# Altium PCB PCB_v1.PcbDoc (part 5 of 8) (continued)
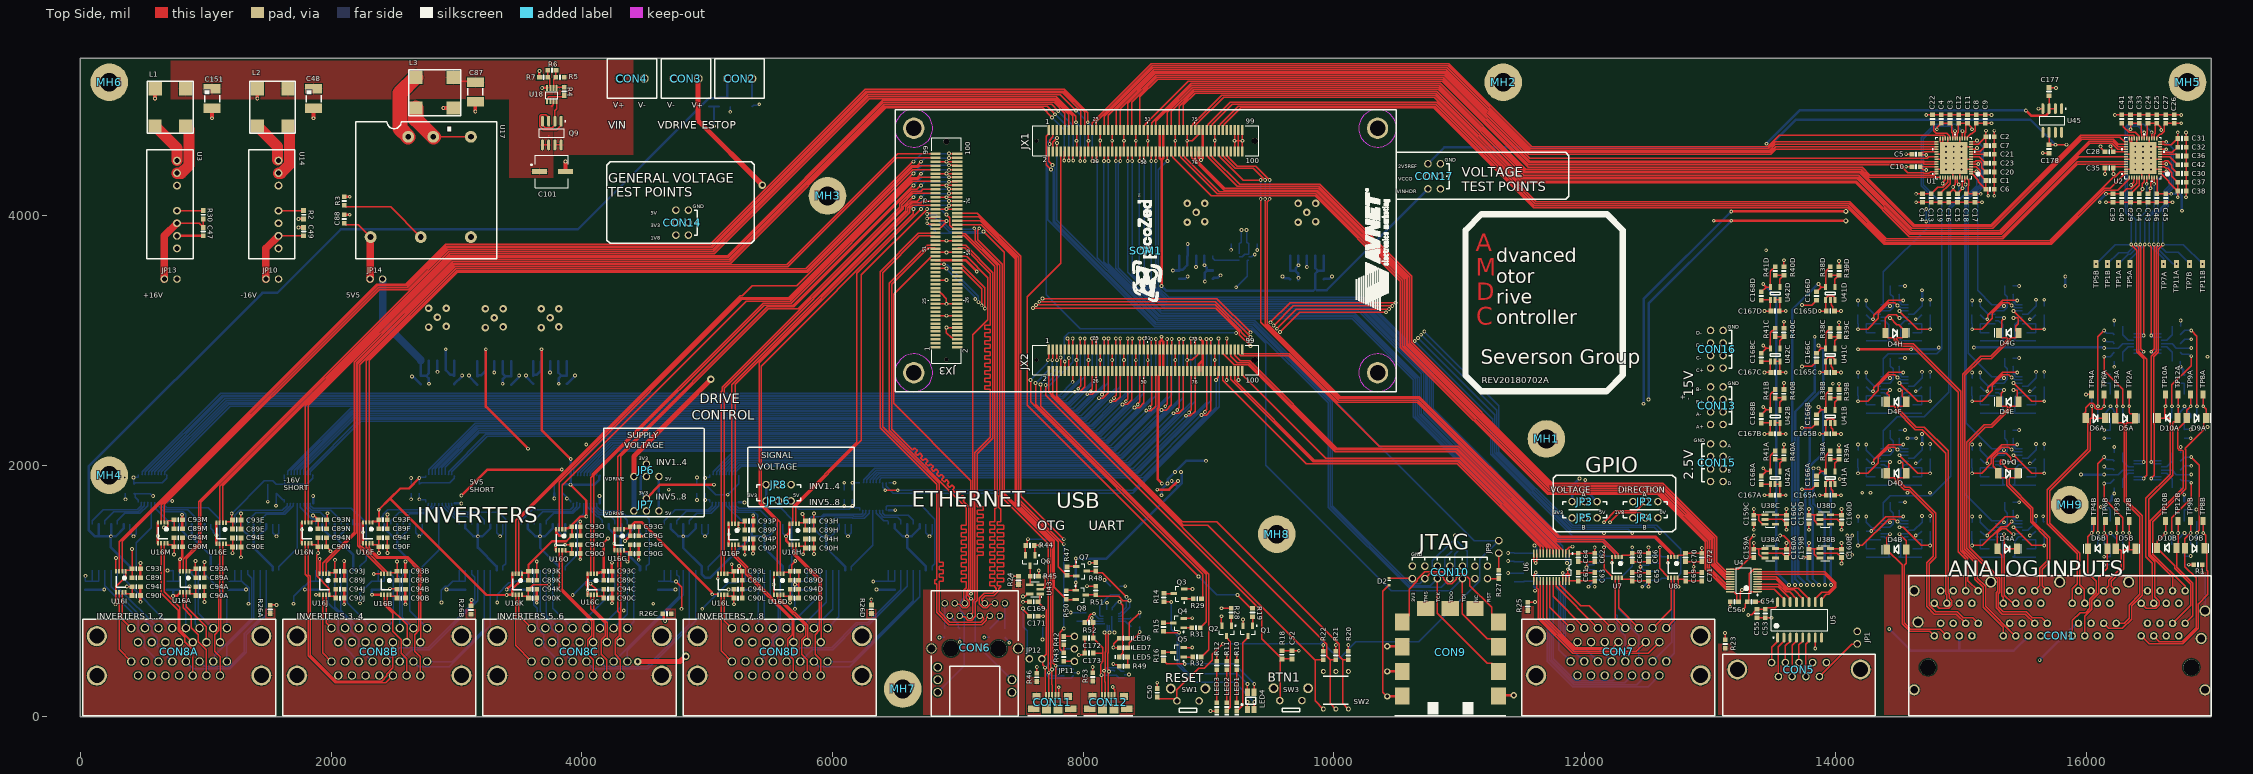
[diagram p0: Top Side view]
## Nets (pads, with @x,y where several pads share a name; then routed paths per layer and width w, separated by ;. In a path a pad name is that pad's centre, name@x,y a point inside that pad or via, vN(x,y) a via of type N, cw(c..) or ccw(c..) an arc to the next point about the centre after c; other vN are vias at no path point) (continued)
  Bottom Side w15: R17.1@5014,4866.54 5054,4866.54 ; v1(5054,4710) 5054,4866.54 ; C51.1@5094,4866.54 5054,4866.54 ; v1(5184,4824.33) D1.2@5184,4862.6
  Bottom Side w20: C95F.2@40,1012.83 v1(190,1012.83) ; C96F.2@690,1012.83 C98F.2@738.31,1012.83 ; U13F.11@693.03,1709.09 693.03,1720 v1(732,1720) ; v1(738.31,961.69) C98F.2@738.31,1012.83 ; C100F.2@790,1012.83 C98F.2@738.31,1012.83 ; C95E.2@1184.02,1012.83 v1(1320,1012.83) ; v1(1790,1012.83) C100E.2@1927.7,1012.83 ; U13E.11@1856.26,1702.6 v1(1856.26,1760) ; U15E.7@2177.7,1567.7 U15E.7@2177.7,1533.62 U15E.8@2227.7,1533.62 2227.7,1501.15 2251.32,1477.53 2251.32,1471.91 v1(2253.23,1470) ; v1(2325,972.11) 2325.19,972.3 2325.19,1012.65 C95D.2@2325.38,1012.83 C99D.2@2425.38,1012.83 ; v1(2645,2713.46) 2646.91,2711.55 2653.39,2711.55 C163A.2@2713.41,2651.54 ; v1(2847.41,2750) U40A.3@2847.41,2840 ; v1(2920,1012.83) C100D.2@3070,1012.83 ; C164A.2@2981.41,2651.54 3043.09,2713.22 3043.09,2718.08 v1(3045,2719.99) ; U13D.11@2986.22,1702.41 3036.39,1702.41 v1(3038.31,1700.5) ; v1(3100,2720) 3101.91,2718.09 3101.91,2711.62 C162.2@3167,2646.54 ; v1(3301,2745.65) U39.3@3301,2835.65 ; v1(3400,1012.83) C99C.2@3566.91,1012.83 ; C161.2@3435,2646.54 3498.09,2709.62 3498.09,2718.09 v1(3500,2720) ; v1(3555,2720) 3556.91,2718.09 3556.91,2708.12 C158A.2@3611.97,2653.07 ; v1(3746,2745.65) U37A.3@3746,2835.65 ; v1(3780.38,1740) C91C.2@3780.38,1782.6 ; U12C.7@3816.91,1532.09 3817.61,1531.39 3817.61,1469.01 3843.84,1442.77 v1(3843.84,1442.06) 3866.22,1464.44 3866.22,1531.39 U12C.8@3866.91,1532.09 ; C157A.2@3880,2653.07 3945,2718.07 v1(3945,2720) ; v1(4047.15,1010) 4048.57,1011.42 4114.25,1011.42 C96C.2@4115.67,1012.83 C100C.2@4213.84,1012.83 ; U13C.11@4141.26,1701.5 v1(4141.26,1760) ; C95B.2@4610,1012.83 v1(4747.6,1012.83) ; v1(5170,1012.83) C100B.2@5353.26,1012.83 ; U13B.11@5251.48,1708.72 5297.69,1708.72 v1(5298.06,1708.35) ; v1(5700,1052.4) 5701.91,1050.49 5710.65,1050.49 C95A.2@5748.31,1012.83 C99A.2@5849.98,1012.83 ; v1@6348.83,1012.83 C100A.2@6494.98,1012.83 ; U13A.11@6448.56,1646.5 v1(6500,1646.5) ; C158B.2@8766.02,3491.54 8768.9,3494.41 8814.72,3494.41 8830.32,3510 v1(8833.02,3510) ; v1(8900.02,3586.54) U37B.3@8900.02,3676.54 ; C157B.2@9034.02,3491.54 9042.72,3500.24 9072.53,3500.24 9092.29,3520 v1(9095,3520) ; v1(9590,3510) 9592.71,3510 9605.93,3496.77 9641.18,3496.77 C163B.2@9649.88,3488.07 ; v1(9783.88,3586.54) U40B.3@9783.88,3676.54 ; C164B.2@9917.88,3488.07 9924.1,3494.29 9966.58,3494.29 9982.29,3510 v1(9985,3510) ; C179B.2@16195,1718.46 16203.7,1727.17 16203.7,1755.99 16225,1777.29 v1(16225,1780) ; v1@16753.46,2791.54 16753.46,2788.55 16776.3,2765.72 16776.3,2735.63 C183A.2@16785,2726.93 ; v1(16783.46,1770) 16784.23,1769.23 16784.23,1717.7 C183B.2@16785,1716.93
  other v1: 1563.31,890 6350,1012.83 12870,1195 793.23,1255 4258.76,1380 618.23,1440 5171.41,1454.55 1767.11,1490 1970,1621.6 4918.31,1727.6 16753.31,2791.42
  other v2: 14882.5,4364.04 14945,4364.04 15007.5,4364.04 16392.5,4364.04 16455,4364.04 16517.5,4364.04 14882.5,4410.29 14945,4410.29 15007.5,4410.29 16392.5,4410.29 16455,4410.29 16517.5,4410.29 14882.5,4456.54 15007.5,4456.54 16392.5,4456.54 16517.5,4456.54 14882.5,4502.79 14945,4502.79 15007.5,4502.79 16392.5,4502.79 16455,4502.79 16517.5,4502.79 14882.5,4549.04 14945,4549.04 15007.5,4549.04 16392.5,4549.04 16455,4549.04 16517.5,4549.04
  other v3: 3231,3103.05 3676,3103.05 2777.41,3107.4 3371,3108.05 3816,3108.05 2917.41,3112.4 3301,3180.65 3746,3180.65 2847.41,3185 3231,3253.05 3371,3253.05 3676,3253.05 3816,3253.05 2777.41,3257.4 2917.41,3257.4 8830.02,3943.94 9713.88,3943.94 8970.02,3948.94 9853.88,3948.94 8900.02,4021.54 9783.88,4021.54 8830.02,4093.94 8970.02,4093.94 9713.88,4093.94 9853.88,4093.94
GND_IN: C48.1 C87.1 C101.2 C151.1 CON4.2 L1.2 L2.2 L3.1 R7.1 U18.4 | length 643.6
  Top Side w20: R7.1@3661.76,5100.05 v1(3661.76,5149.82) ; v1(3683.42,5015.05) U18.4@3722.79,5015.05
  Top Side w30: v1(595.54,4930) L1.2@595.54,5009.21 ; v1(1050,4773.31) C151.1@1050,4852.52 ; v1(1410.91,4930) L2.2@1410.91,5009.21 ; v1(1860,4773.31) C48.1@1860,4852.52 ; v1(2894.68,4854.77) L3.1@2973.89,4854.77 ; v1(3150,4826.25) C87.1@3150,4905.46 ; C101.2@3868.8,4348.27 v1(3868.8,4427.48)
GPIO_1A: CON7.1A U8.7 | length 428.1
  Top Side w10: CON7.1A@12651,706 12716.18,771.18 U8.7@12716.18,1107.12
GPIO_1B: CON7.1B U11.6 | length 694.1
  Bottom Side w10: CON7.1B@12651,440 12716.18,505.18 U11.6@12716.18,1107.11
GPIO_2A: CON7.2A U8.6 | length 462.7
  Top Side w10: CON7.2A@12542,706 12690.59,854.59 U8.6@12690.59,1107.12
GPIO_2B: CON7.2B U11.7 | length 731.9
  Bottom Side w10: CON7.2B@12542,440 12694.5,592.5 12694.5,1093.96 12690.59,1097.87 U11.7@12690.59,1107.11
GPIO_3A: CON7.3A U7.7 | length 468.5
  Top Side w10: U7.7@12270.39,1107.12 12270.39,868.61 CON7.3A@12433,706
GPIO_3B: CON7.3B U10.6 | length 734.1
  Bottom Side w10: U10.6@12271.18,1107.11 12271.18,857.56 12367.5,761.24 12367.5,709.98 12433,644.48 CON7.3B@12433,440
GPIO_4A: CON7.4A U7.6 | length 433.9
  Top Side w10: U7.6@12244.8,1107.12 12244.8,785.2 CON7.4A@12324,706
GPIO_4B: CON7.4B U10.7 | length 699.6
  Bottom Side w10: U10.7@12245.59,1107.11 12245.59,815.85 12258.5,802.94 12258.5,709.98 12324,644.48 CON7.4B@12324,440
GPIO_5A: CON7.5A U6.21 | length 586
  Top Side w10: U6.21@11798.98,1079.76 11799.88,1078.86 11799.88,1052.91 11967.88,884.91 12036.09,884.91 CON7.5A@12215,706
GPIO_5B: CON7.5B U9.14 | length 901
  Bottom Side w10: U9.14@11850.16,1079.76 11850.16,1054.17 11844.5,1048.52 11844.5,630.48 11926.48,548.5 12106.5,548.5 CON7.5B@12215,440
GPIO_6A: CON7.6A U6.20 | length 511.5
  Top Side w10: U6.20@11773.39,1079.76 11774.29,1078.86 11774.29,1037.71 CON7.6A@12106,706
GPIO_6B: CON7.6B U9.15 | length 810.4
  Bottom Side w10: U9.15@11824.57,1079.76 11824.57,1054.17 11829.5,1049.24 11829.5,624.27 11920.27,533.5 12012.5,533.5 CON7.6B@12106,440
GPIO_7A: CON7.7A U6.19 | length 476.1
  Top Side w10: U6.19@11747.8,1079.76 11747.8,958.34 11997,709.13 CON7.7A@11995.43,707.57
GPIO_7B: CON7.7B U9.16 | length 724.4
  Bottom Side w10: U9.16@11798.98,1079.76 11798.98,1019.15 11808.5,1009.63 11808.5,624.06 11992.56,440 CON7.7B@11997,440
GPIO_8A: CON7.8A U6.18 | length 442.4
  Top Side w10: U6.18@11722.2,1079.76 11722.2,871.8 CON7.8A@11888,706
GPIO_8B: CON7.8B U9.17 | length 687.2
  Bottom Side w10: U9.17@11773.39,1079.76 11773.39,1023.53 11793.5,1003.42 11793.5,534.5 CON7.8B@11888,440
GPIO_9A: CON7.9A U6.14 | length 1421.7
  Top Side w10: U6.14@11619.84,1079.76 11619.84,1024.76 11630,1014.6 11630,779.93 11905.43,504.5 12507,504.5 CON7.9A@12596.5,594
GPIO_9B: CON7.9B U9.21 | length 1664.8
  Bottom Side w10: U9.21@11671.02,1079.76 11671.02,764.25 11703.5,731.77 11703.5,441.84 11905.84,239.5 12508,239.5 CON7.9B@12596.5,328
GPIO_10A: CON7.10A U6.15 | length 1277.2
  Top Side w10: U6.15@11645.43,1079.76 11645.43,785.71 11911.64,519.5 12413,519.5 CON7.10A@12487.5,594
GPIO_10B: CON7.10B U9.20 | length 1520.4
  Bottom Side w10: U9.20@11696.61,1079.76 11696.61,762.06 11718.5,740.17 11718.5,448.06 11912.06,254.5 12414,254.5 CON7.10B@12487.5,328
GPIO_11A: CON7.11A U6.16 | length 1131.1
  Top Side w10: U6.16@11671.02,1079.76 11671.02,782.75 11918.27,535.5 12320,535.5 CON7.11A@12378.5,594
GPIO_11B: CON7.11B U9.19 | length 1375.9
  Bottom Side w10: U9.19@11722.2,1079.76 11722.2,759.87 11733.5,748.57 11733.5,454.27 11918.27,269.5 12320,269.5 CON7.11B@12378.5,328
GPIO_12A: CON7.12A U6.17 | length 986.7
  Top Side w10: U6.17@11696.61,1079.76 11696.61,778.37 11924.48,550.5 12226,550.5 CON7.12A@12269.5,594
GPIO_12B: CON7.12B U9.18 | length 1231.5
  Bottom Side w10: U9.18@11747.8,1079.76 11748.5,1079.06 11748.5,460.48 11924.48,284.5 12226,284.5 CON7.12B@12269.5,328
HVA: C95A.1 C95B.1 C95C.1 C95D.1 C95E.1 C95F.1 C96A.1 C96B.1 C96C.1 C96D.1 C96E.1 C96F.1 C97A.1 C97B.1 C97C.1 C97D.1 C97E.1 C97F.1 C98A.1 C98B.1 C98C.1 C98D.1 C98E.1 C98F.1 C99A.1 C99B.1 C99C.1 C99D.1 C99E.1 C99F.1 C100A.1 C100B.1 C100C.1 C100D.1 C100E.1 C100F.1 CON3.1 JP6.1 JP7.1 U12A.15 U12A.16 U12B.15 U12B.16 U12C.15 U12C.16 U12D.15 U12D.16 U12E.15 U12E.16 U12F.15 U12F.16 U15A.15 U15A.16 U15B.15 U15B.16 U15C.15 U15C.16 U15D.15 U15D.16 U15E.15 U15E.16 U15F.15 U15F.16 | length 18119.9
  Top Side w10: v1(4751.17,1076.54) 4795,1032.7 v1(4795,859)
  Top Side w40: JP6.1@4415,1914.99 4415,2075 v3(5030,2690) ; CON3.1@4928.43,5090 4928.43,4752.06 v3(5440.49,4240)
  Ground Layer w20: v1(4334.21,845.92) 4779.21,845.92 4792.29,859 v1(4795,859)
  Power Layer w20: v1(4795,859) v1(4960,859) v1(5700,859) 5919,1078 v1(6325,1078)
  Power Layer w40: v1(40,1122.6) 82.19,1164.79 294.63,1164.79 ; v1(695,1164.79) 294.63,1164.79 ; v1(1340,900) 1340,850 ; v1(1700,900) 1700,850 ; v1(2230,903.03) 2230,850 ; v1(2880,910) 2880,850 ; v1(3325.17,910) 3325.17,850 ; v1(3926.67,968.77) 3926.67,850 ; v1(4334.21,845.92) 4311.98,868.14 ; JP7.1@4415,1640 4415,1267.57 4414,1266.57 4414,1233.43 4415,1232.43 4415,971.16 4311.98,868.14 ; v3(5030,2690) 5030,2969.92 5440.49,3380.41 v3(5440.49,4240) ; 294.63,1164.79 294.63,975.37 420,850 1340,850 ; 1340,850 1700,850 ; 1700,850 2230,850 ; 2230,850 2880,850 ; 2880,850 3325.17,850 ; 3325.17,850 3926.67,850 ; 3926.67,850 4243.29,850 4261.43,868.14 4311.98,868.14
  Bottom Side w10: v1(40,1122.6) C95F.1@40,1079.76 C99F.1@90,1079.76 ; U12F.16@94.63,1165.16 94.63,1084.39 C99F.1@90,1079.76 ; U12F.15@144.63,1165.16 144.63,1084.39 C97F.1@140,1079.76 C99F.1@90,1079.76 ; v1@686.02,1166.69 687.93,1164.79 v1(695,1164.79) 737.72,1164.79 U15F.16@739.63,1166.69 739.63,1081.09 C98F.1@738.31,1079.76 ; C96F.1@690,1079.76 C98F.1@738.31,1079.76 ; U15F.15@789.63,1166.69 789.63,1080.13 C100F.1@790,1079.76 C98F.1@738.31,1079.76 ; C95E.1@1184.02,1079.76 C97E.1@1232.7,1079.76 ; U12E.16@1232.7,1165.16 C97E.1@1232.7,1079.76 ; U12E.15@1282.7,1165.16 C99E.1@1282.7,1079.76 ; v1(1340,900) 1340,905.41 1345,910.41 1345,1023.19 1288.43,1079.76 C99E.1@1282.7,1079.76 ; v1(1700,900) 1700,958.19 1779.64,1037.83 1788.74,1037.83 C96E.1@1830.67,1079.76 C98E.1@1877.7,1079.76 ; U15E.16@1877.7,1166.69 C98E.1@1877.7,1079.76 ; U15E.15@1927.7,1166.69 C100E.1@1927.7,1079.76 C98E.1@1877.7,1079.76 ; v1(2230,903.03) 2230,984.39 C95D.1@2325.38,1079.76 C97D.1@2375.38,1079.76 ; U12D.16@2375.38,1165.16 C97D.1@2375.38,1079.76 ; U12D.15@2425.38,1165.16 C99D.1@2425.38,1079.76 C97D.1@2375.38,1079.76 ; v1(2880,910) 2880,1008.19 2910.85,1039.04 2929.28,1039.04 C96D.1@2970,1079.76 C98D.1@3020.38,1079.76 ; U15D.16@3020.38,1166.69 C98D.1@3020.38,1079.76 ; U15D.15@3070.38,1166.69 3070.38,1080.14 C100D.1@3070,1079.76 C98D.1@3020.38,1079.76 ; v1(3325.17,910) 3325.17,973.36 3417.87,1066.06 3456.3,1066.06 C95C.1@3470,1079.76 C97C.1@3516.91,1079.76 ; U12C.16@3516.91,1165.16 C97C.1@3516.91,1079.76 ; U12C.15@3566.91,1165.16 C99C.1@3566.91,1079.76 C97C.1@3516.91,1079.76 ; v1(3926.67,968.77) 4042.89,1085 4110.43,1085 C96C.1@4115.67,1079.76 C98C.1@4163.84,1079.76 ; U15C.16@4163.84,1166.69 C98C.1@4163.84,1079.76 ; U15C.15@4213.84,1166.69 C100C.1@4213.84,1079.76 C98C.1@4163.84,1079.76 ; C95B.1@4610,1079.76 C97B.1@4658.45,1079.76 ; U12B.16@4658.45,1165.16 C97B.1@4658.45,1079.76 ; U12B.15@4708.45,1165.16 C99B.1@4708.45,1079.76 ; v1(4751.17,1076.54) 4711.68,1076.54 C99B.1@4708.45,1079.76 ; v1@4960,860 4961,860 5167.06,1066.06 5229.55,1066.06 C96B.1@5243.26,1079.76 C98B.1@5298.26,1079.76 ; U15B.16@5303.45,1166.69 5303.45,1084.96 C98B.1@5298.26,1079.76 ; U15B.15@5353.45,1166.69 5353.45,1079.96 C100B.1@5353.26,1079.76 C98B.1@5298.26,1079.76 ; v1(5700,859) 5700,951.08 5675,976.08 5675,1062.76 5689.64,1077.4 5745.94,1077.4 C95A.1@5748.31,1079.76 C97A.1@5799.98,1079.76 ; U12A.16@5799.98,1165.16 C97A.1@5799.98,1079.76 ; U12A.15@5849.98,1165.16 C99A.1@5849.98,1079.76 C97A.1@5799.98,1079.76 ; v1(6325,1078) 6396.54,1078 C96A.1@6398.31,1079.76 C98A.1@6444.98,1079.76 ; U15A.16@6444.98,1166.69 C98A.1@6444.98,1079.76 ; U15A.15@6494.98,1166.69 C100A.1@6494.98,1079.76 C98A.1@6444.98,1079.76 ; C97E.1@1232.7,1079.76 C99E.1@1282.7,1079.76 ; C97B.1@4658.45,1079.76 C99B.1@4708.45,1079.76
  Bottom Side w40: JP7.1@4415,1640 JP6.1@4415,1914.99
INV1_PWM1: CON8A.1A U15F.11 | length 535.6
  Bottom Side w10: U15F.11@989.63,1166.69 989.63,1135.2 1168,956.83 CON8A.1A@1168,705
INV1_PWM2: CON8A.2A U15F.12 | length 511.1
  Bottom Side w10: U15F.12@939.63,1166.69 939.63,824.37 CON8A.2A@1059,705
INV1_PWM3: CON8A.3A U15F.13 | length 486.7
  Bottom Side w10: U15F.13@889.63,1166.69 889.63,1135.2 915.66,1109.16 915.66,739.34 CON8A.3A@950,705
INV1_PWM4: CON8A.4A U15F.14 | length 462.3
  Bottom Side w10: U15F.14@839.63,1166.69 840.32,1166.01 840.32,705.68 CON8A.4A@841,705
INV1_PWM5: CON8A.5A U12F.11 | length 620.6
  Bottom Side w10: U12F.11@344.63,1165.16 344.63,1097.39 732,710.02 CON8A.5A@732,705
INV1_PWM6: CON8A.6A U12F.12 | length 596.2
  Bottom Side w10: U12F.12@294.63,1165.16 294.63,1033.37 CON8A.6A@623,705
INV2_PWM1: CON8A.1B U12E.13 | length 815.1
  Bottom Side w10: CON8A.1B@1168,439 1168,564.77 1382.7,779.47 U12E.13@1382.7,1165.16
INV2_PWM2: CON8A.2B U12E.14 | length 866.3
  Bottom Side w10: CON8A.2B@1059,439 1069.52,449.52 1069.52,487.5 1365,782.98 1365,1101.36 1332.7,1133.66 U12E.14@1332.7,1165.16
INV2_PWM3: CON8A.3B U12E.12 | length 1125.9
  Bottom Side w10: CON8A.3B@950,439 993.5,395.5 1186.02,395.5 1308.06,517.54 1308.06,658.88 1432.7,783.52 U12E.12@1432.7,1165.16
INV2_PWM4: CON8A.4B U12E.11 | length 1280.4
  Bottom Side w10: CON8A.4B@841,439 899.5,380.5 1192.23,380.5 1323.06,511.32 1323.06,652.66 1482.7,812.31 U12E.11@1482.7,1165.16
INV2_PWM5: CON8A.5B U12F.13 | length 928
  Bottom Side w10: U12F.13@244.63,1165.16 244.63,1035.89 570,710.52 570,671.97 612,629.97 612,559 CON8A.5B@732,439
INV2_PWM6: CON8A.6B U12F.14 | length 903.6
  Bottom Side w10: U12F.14@194.63,1165.16 194.63,1043.56 460,778.19 460,680.97 510,630.97 510,552 CON8A.6B@623,439
INV3_PWM1: CON8B.1A U12D.11 | length 518.1
  Bottom Side w10: U12D.11@2625.38,1165.16 2625.38,844.96 CON8B.1A@2765.33,705
INV3_PWM2: CON8B.2A U12D.12 | length 500.1
  Bottom Side w10: U12D.12@2575.38,1165.16 2575.38,1129.98 2567.7,1122.3 2567.7,793.63 CON8B.2A@2656.33,705
INV3_PWM3: CON8B.3A U12D.13 | length 469.3
  Bottom Side w10: U12D.13@2525.38,1165.16 2525.38,1133.66 2547.33,1111.71 CON8B.3A@2547.33,705
INV3_PWM4: CON8B.4A U12D.14 | length 491.8
  Bottom Side w10: CON8B.4A@2438.33,705 2495,761.67 2495,1114.04 2475.38,1133.66 U12D.14@2475.38,1165.16
INV3_PWM5: CON8B.5A U15E.11 | length 545.2
  Bottom Side w10: U15E.11@2127.7,1166.69 2127.7,906.63 CON8B.5A@2329.33,705
INV3_PWM6: CON8B.6A U15E.12 | length 520.8
  Bottom Side w10: U15E.12@2077.7,1166.69 2077.7,847.63 CON8B.6A@2220.33,705
INV4_PWM1: CON8B.1B U15D.12 | length 1032.6
  Bottom Side w10: CON8B.1B@2765.33,439 2964.11,439 3220.38,695.27 U15D.12@3220.38,1166.69
INV4_PWM2: CON8B.2B U15D.11 | length 1210.8
  Bottom Side w10: CON8B.2B@2656.33,439 2699.83,395.5 2941.83,395.5 3270.38,724.05 U15D.11@3270.38,1166.69
INV4_PWM3: CON8B.3B U15D.13 | length 1066.7
  Bottom Side w10: CON8B.3B@2547.33,439 2642.83,534.5 2781.07,534.5 3170.38,923.81 U15D.13@3170.38,1166.69
INV4_PWM4: CON8B.4B U15D.14 | length 1163
  Bottom Side w10: CON8B.4B@2438.33,439 2548.83,549.5 2774.86,549.5 3145,919.64 3145,1110.57 3120.38,1135.2 U15D.14@3120.38,1166.69
INV4_PWM5: CON8B.5B U15E.13 | length 852.6
  Bottom Side w10: U15E.13@2027.7,1166.69 2027.7,876.42 2154.83,749.29 2154.83,680.17 2220,615 2220,548.33 CON8B.5B@2329.33,439
INV4_PWM6: CON8B.6B U15E.14 | length 828.2
  Bottom Side w10: U15E.14@1977.7,1166.69 1977.7,905.21 2056.83,826.07 2056.83,673.17 2111.33,618.67 2111.33,548 CON8B.6B@2220.33,439
INV5_PWM1: CON8C.1A U15C.11 | length 482.9
  Bottom Side w10: CON8C.1A@4362.67,705 4413.84,756.18 U15C.11@4413.84,1166.69
INV5_PWM2: CON8C.2A U15C.12 | length 507.3
  Bottom Side w10: CON8C.2A@4253.67,705 4363.84,815.18 U15C.12@4363.84,1166.69
INV5_PWM3: CON8C.3A U15C.13 | length 531.8
  Bottom Side w10: CON8C.3A@4144.67,705 4313.84,874.18 U15C.13@4313.84,1166.69
INV5_PWM4: CON8C.4A U15C.14 | length 556.2
  Bottom Side w10: CON8C.4A@4035.67,705 4035.67,783.12 4263.84,1011.29 U15C.14@4263.84,1166.69
INV5_PWM5: CON8C.5A U12C.11 | length 526.3
  Bottom Side w10: U12C.11@3766.91,1165.16 3766.91,864.75 CON8C.5A@3926.67,705
INV5_PWM6: CON8C.6A U12C.12 | length 504.2
  Bottom Side w10: U12C.12@3716.91,1165.16 3716.91,1129.98 3714.09,1127.16 3714.09,808.57 CON8C.6A@3817.67,705
INV6_PWM1: CON8C.1B U12B.13 | length 910.8
  Bottom Side w10: CON8C.1B@4362.67,439 4362.67,526.79 4808.45,972.57 U12B.13@4808.45,1165.16
INV6_PWM2: CON8C.2B U12B.14 | length 949.9
  Bottom Side w10: CON8C.2B@4253.67,439 4776.17,961.5 4776.17,1113.46 4758.45,1131.18 U12B.14@4758.45,1165.16
INV6_PWM3: CON8C.3B U12B.12 | length 1302
  Bottom Side w10: CON8C.3B@4144.67,439 4188.17,395.5 4517.95,395.5 4858.45,736 U12B.12@4858.45,1165.16
INV6_PWM4: CON8C.4B U12B.11 | length 1456.6
  Bottom Side w10: CON8C.4B@4035.67,439 4094.17,380.5 4524.16,380.5 4908.45,764.79 U12B.11@4908.45,1165.16
INV6_PWM5: CON8C.5B U12C.13 | length 833.8
  Bottom Side w10: U12C.13@3666.91,1165.16 3666.91,834.54 3752.17,749.29 3752.17,708.98 3806.67,654.48 3806.67,559 CON8C.5B@3926.67,439
INV6_PWM6: CON8C.6B U12C.14 | length 810.5
  Bottom Side w10: U12C.14@3616.91,1165.16 3615.53,1163.78 3615.53,891.96 3643.17,864.33 3643.17,708.98 3697.67,654.48 3697.67,559 CON8C.6B@3817.67,439
INV7_PWM1: CON8D.1A U12A.11 | length 497.4
  Bottom Side w10: CON8D.1A@5960,705 6049.98,794.98 U12A.11@6049.98,1165.16
INV7_PWM2: CON8D.2A U12A.12 | length 521.9
  Bottom Side w10: CON8D.2A@5851,705 5999.98,853.98 U12A.12@5999.98,1165.16
INV7_PWM3: CON8D.3A U12A.13 | length 546.3
  Bottom Side w10: CON8D.3A@5742,705 5949.98,912.98 U12A.13@5949.98,1165.16
INV7_PWM4: CON8D.4A U12A.14 | length 570.7
  Bottom Side w10: CON8D.4A@5633,705 5899.98,971.98 U12A.14@5899.98,1165.16
INV7_PWM5: CON8D.5A U15B.13 | length 490.9
  Bottom Side w10: U15B.13@5453.45,1166.69 5453.45,775.55 CON8D.5A@5524,705
INV7_PWM6: CON8D.6A U15B.14 | length 466.5
  Bottom Side w10: U15B.14@5403.45,1166.69 5406.06,1164.09 5406.06,713.94 CON8D.6A@5415,705
INV8_PWM1: CON8D.1B U15A.12 | length 1127.9
  Bottom Side w10: CON8D.1B@5960,439 6158.78,439 6644.98,925.2 U15A.12@6644.98,1166.69
INV8_PWM2: CON8D.2B U15A.11 | length 1306
  Bottom Side w10: CON8D.2B@5851,439 5894.5,395.5 6136.49,395.5 6694.98,953.99 U15A.11@6694.98,1166.69
INV8_PWM3: CON8D.3B U15A.13 | length 1228.6
  Bottom Side w10: CON8D.3B@5742,439 5837.5,534.5 5999.72,534.5 6197.22,732 6286.91,732 6594.98,1040.08 U15A.13@6594.98,1166.69
INV8_PWM4: CON8D.4B U15A.14 | length 1304.4
  Bottom Side w10: CON8D.4B@5633,439 5743.5,549.5 5993.51,549.5 6191.01,747 6280.69,747 6544.98,1011.29 U15A.14@6544.98,1166.69
INV8_PWM5: CON8D.5B U15B.11 | length 764
  Bottom Side w10: CON8D.5B@5524,439 5530,445 5530,617.72 5582.5,670.22 5582.5,1106.15 5553.45,1135.2 U15B.11@5553.45,1166.69
INV8_PWM6: CON8D.6B U15B.12 | length 817.4
  Bottom Side w10: CON8D.6B@5415,439 5515,539 5515,627.15 5567.5,679.65 5567.5,873.03 5503.45,937.08 U15B.12@5503.45,1166.69
JTAG_TCK: CON9.2 CON10.6 D3.5 SOM1.JX1-1 | length 6775.5
  Top Side w10: SOM1.JX1-1@7726.65,4680 7726.65,4650 7706.65,4630 7706.65,4400.35 v1(7743,4364) ; CON10.6@10825,1100 10825,823.73 11224.83,423.9 11258.66,423.9 11312.72,369.84 CON9.2@11312.72,360
  Bottom Side w10: v1(7743,4364) 7743,4358.59 7759.65,4341.94 7759.65,3942.81 8576.83,3125.63 9354.91,3125.63 9969.78,2510.76 9969.78,1677.44 10602.22,1045 10770,1045 10885,1160 10885,1267.04 10938.59,1320.63 D3.5@10938.59,1322.6
JTAG_TDI: CON9.3 CON10.10 D3.3 SOM1.JX1-4 | length 7372.2
  Top Side w10: SOM1.JX1-4@7758.15,4506.77 7758.15,4583.15 v1(7790,4615) ; CON10.10@11025,1100 11025,820.58 11224.83,620.75 11258.66,620.75 11312.72,566.69 CON9.3@11312.72,556.85
  Bottom Side w10: v1(7790,4615) 7744.02,4615 7703,4573.98 7703,3365.95 7974.32,3094.63 9340.73,3094.63 9456.43,2978.93 9456.43,2003.52 10455.95,1004 10929,1004 11065,1140 11065,1320.2 10989.77,1395.43 D3.3@10989.77,1397.4
JTAG_TDO: CON9.8 CON10.8 D3.4 SOM1.JX1-3 | length 6619.9
  Top Side w10: v1(7732.15,4567.77) 7732.15,4598.59 7758.15,4624.59 SOM1.JX1-3@7758.15,4680 ; CON9.8@10545,753.7 10599.06,807.76 10599.06,1017.49 10665,1083.43 10665,1096.57 10723.43,1155 10870,1155 CON10.8@10925,1100
  Bottom Side w10: v1(7732.15,4567.77) 7732.15,4562.36 7718,4548.21 7718,3963.25 8570.62,3110.63 9345.94,3110.63 9954.78,2501.79 9954.78,1671.23 10596.01,1030 10855,1030 10965,1140 10965,1295.86 10989.77,1320.63 D3.4@10989.77,1322.6
JTAG_TMS: CON9.4 CON10.4 D3.1 SOM1.JX1-2 | length 6528.7
  Top Side w10: SOM1.JX1-2@7726.65,4506.77 7726.65,4428.35 v1(7755,4400) ; CON10.4@10725,1100 10765,1140 10841.57,1140 10875,1106.57 10875,1093.43 10908.43,1060 10941.57,1060 10975,1093.43 10975,1106.57 11008.43,1140 11041.57,1140 11085,1096.57 11085,1044.77 11258.66,871.11 11258.66,807.76 CON9.4@11312.72,753.7
  Bottom Side w10: v1(7755,4400) 7755,4396.86 7774.65,4377.22 7774.65,3949.03 8583.04,3140.63 9361.12,3140.63 9984.78,2516.97 9984.78,1683.65 10608.43,1060 10685,1060 10785,1160 10785,1241.84 10938.59,1395.43 D3.1@10938.59,1397.4
LV_ALARMA: SOM1.JX1-64 U4.19 | length 6356.6
  Top Side w10: SOM1.JX1-64@8703.03,4506.77 8703.03,4476.77 8714.53,4465.28 8714.53,4462.63 9022.16,4155 9849.39,4155 10530,3474.39 10530,2947.37 11705.37,1772 12584.57,1772 12963.7,1392.87 12963.7,1178.98 13125.99,1016.68 13160.4,1016.68 U4.19@13160.75,1016.34
LV_ALARMB: SOM1.JX1-70 U4.17 | length 6245.8
  Top Side w10: SOM1.JX1-70@8797.52,4506.77 8797.52,4476.77 8809.01,4465.28 8809.01,4462.63 9086.64,4185 9861.82,4185 10560,3486.82 10560,2959.79 11717.79,1802 12597,1802 12993.7,1405.29 12993.7,1191.4 13129.05,1056.06 13160.4,1056.06 U4.17@13160.75,1055.71
LV_ALARMD: SOM1.JX1-84 U4.12 | length 5976.7
  Top Side w10: SOM1.JX1-84@9017.99,4506.77 9017.99,4476.77 9029.49,4465.28 9029.49,4462.63 9247.12,4245 9886.67,4245 10620,3511.67 10620,2984.64 11742.64,1862 12621.85,1862 13053.7,1430.15 13053.7,1229.83 13129.05,1154.48 13160.4,1154.48 U4.12@13160.75,1154.13
LV_ALARMZ: SOM1.JX1-76 U4.14 | length 6131.5
  Top Side w10: SOM1.JX1-76@8892.01,4506.77 8892.87,4505.9 8892.87,4451.77 9129.64,4215 9874.24,4215 10590,3499.24 10590,2972.22 11730.22,1832 12609.42,1832 13023.7,1417.72 13023.7,1217.4 13125.99,1115.11 13160.4,1115.11 U4.14@13160.75,1114.76
LV_ENC_A: SOM1.JX1-68 U4.18 | length 6285.5
  Top Side w10: SOM1.JX1-68@8766.02,4506.77 8766.02,4476.77 8777.52,4465.28 8777.52,4462.63 9070.15,4170 9855.6,4170 10545,3480.6 10545,2953.58 11711.58,1787 12590.78,1787 12978.7,1399.08 12978.7,1185.19 13127.52,1036.37 13160.4,1036.37 U4.18@13160.75,1036.02